# KiCad board N2360.kicad_pcb (continued)
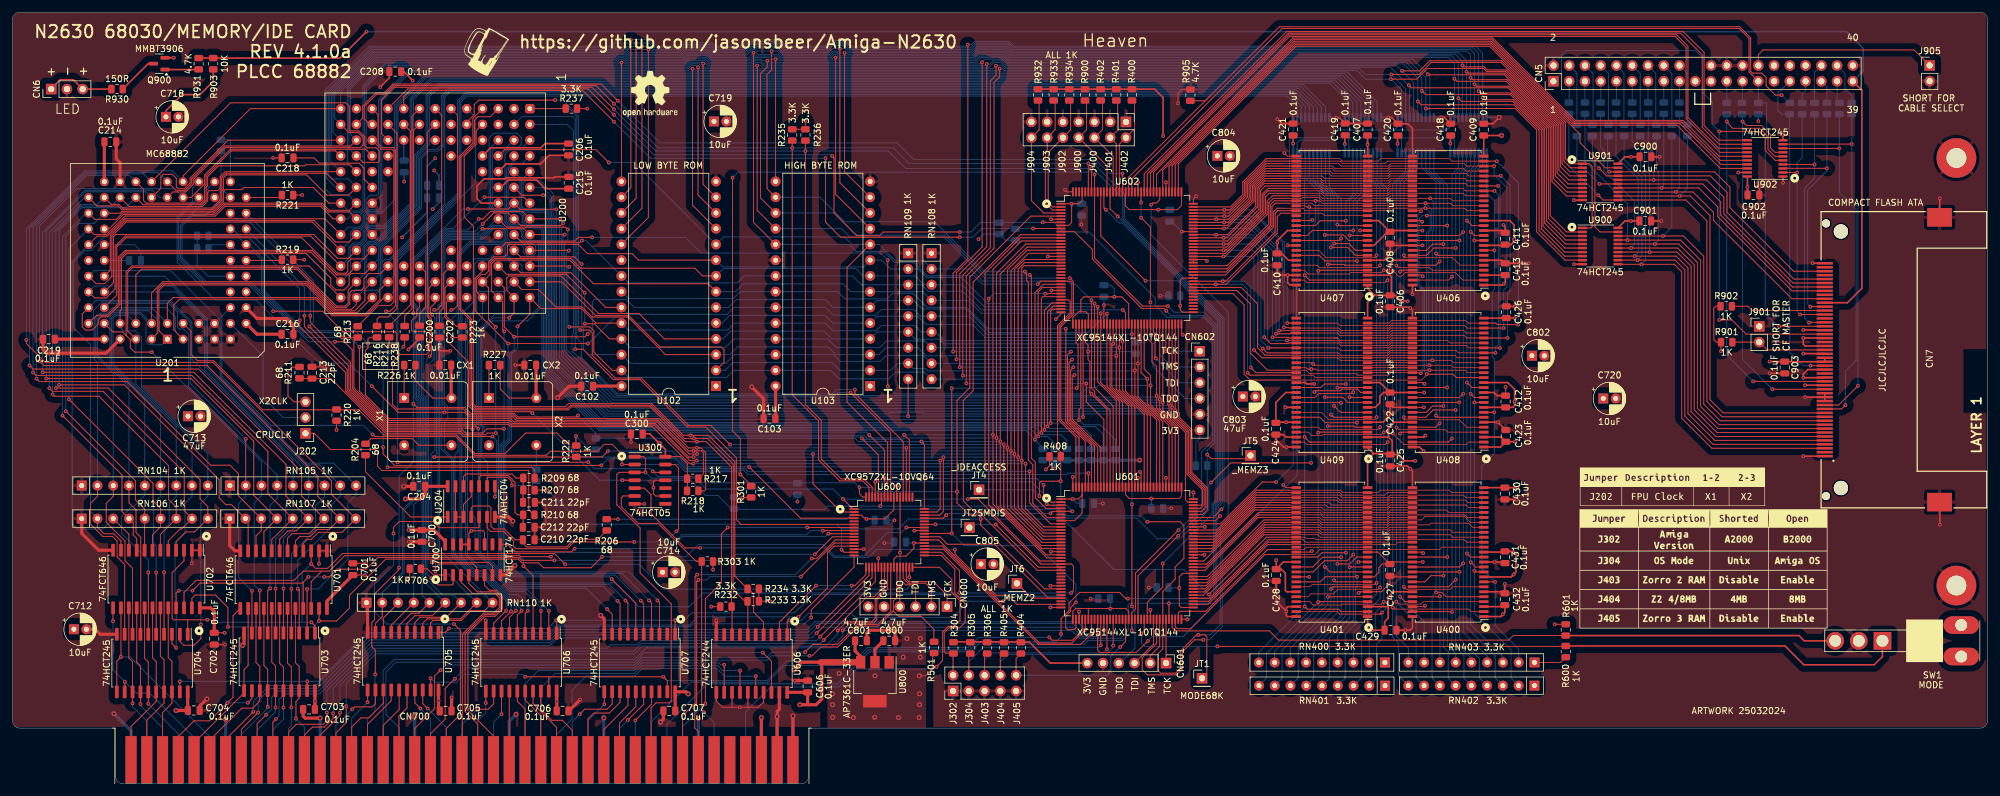
[diagram p0: board, top side]
## Nets (continued)
Net-(U200-BERR): R238.2 U200.69
Net-(U201-A0): R221.2 U201.26
Net-(U201-SIZE): R219.1 U201.18
Net-(U204-Pad6): U204.6 U300.13
Net-(U204-Pad11): U204.2 U204.3 U204.11 U204.13
Net-(U700-~{Mr}): R706.2 U700.1
Net-(X1-OUT): R204.2 X1.5
Net-(X1-Tristate): R226.2 X1.1
Net-(X2-OUT): R203.2 X2.5
Net-(X2-Tristate): R227.2 X2.1

Pads without a net: CN5 21 29 32 34; CN7 24 25 26 36 40 43 46; CN700 8 10 12 18 22; SW1 4 5; U102 1; U103 1; U200 14 28 42 44 53 54 58 59 79 80 85 103; U201 15; U300 8 10; U400 40; U401 40; U406 40; U407 40; U408 40; U409 40; U600 5 44 49; U601 6 25 26 27 28 31 32 34 44 49 51 52 53 57 59 118; U602 22 23 24 25 74 75 76 77 78 124 136 140 142 143; U606 3 5 7 9; U700 10 12 15; U707 2 18

## Via types
v1: diameter 0.6, hole 0.3, Top to Bottom, 801 vias
v2: diameter 0.8, hole 0.4, Top to Bottom, 44 vias

## Routing (per net, layer and track width the routed paths; a pad name or vN(x,y) marks a point on that pad's centre or on a via; arc(x,y) is an arc through that point)
+3V3: length 454.5
  Top w0.15: U401.9 219.53,33.36 220.24,34.07 220.24,34.86 220.82,35.44 C427.1 220.1,37.36 218.25,37.36 ; 172.42,46.72 172.42,43.67 171.18,42.43 U601.8 ; 172.42,46.72 172.42,46.55 171.8,45.93 v1(170.87,45.93) U601.1 ; 172.42,46.72 U601.141 ; v1(166.57,50.7) 167.16,51.29 R408.1 ; v2(146.17,17.4) 147.18,17.4 148.32,18.54 148.32,20.85 ; U601.109 188.42,46.35 188.07,46 v1(183.57,46) 180.02,46 179.42,46.6 U601.127 ; U601.55 179.92,27.8 179.47,28.25 v1(176.97,28.25) 173.47,28.25 ; U602.141 172.42,94.08 171.92,93.58 v1(170.72,93.58) ; U600.37 v1(145.3,38.83) 145.3,37.98 144.03,36.71 142.55,36.71 142.07,36.23 U600.26 ; R601.1 v1(248.57,25.7) ; v1(170.72,93.58) U602.1 ; v1(170.72,93.58) 170.72,90.53 170.27,90.08 U602.8 ; 221.71,28.56 221.75,28.51 ; U602.109 188.42,93.28 187.77,92.63 v1(184.7,92.63) 180.02,92.63 179.42,93.23 U602.127 ; U600.3 136.82,43.33 137.42,42.73 v1(137.67,42.73) 140.62,42.73 142.07,44.18 U600.55 ; U602.55 179.92,77.45 178.82,78.55 v1(177.6,78.55) 172.72,78.55 172.21,78.04 172.21,76.14 ; U601.42 173.42,28.2 173.47,28.25 ; 172.21,76.14 171.84,76.14 170.92,75.23 U602.37 ; 172.21,76.14 173.04,76.14 173.42,75.75 U602.42 ; RN403.1 249.54,19.55 R600.1 ; U406.43 v1(227.28,89.26) ; 173.47,28.25 171.38,28.25 170.92,27.79 U601.37 ; U408.43 v1(227.55,63.12) ; v1(227.33,35.76) U400.43 222.36,35.76 ; U601.84 188.62,33.93 188.07,33.38 v1(188.07,31.58) 188.07,28.75 188.4,28.43 U601.73 ; U602.84 188.57,81.58 188.22,81.23 v1(188.22,77.1) 188.22,76.48 188.62,76.08 U602.73
  Top w0.25: C423.1 239.95,55.92 U408.3 ; C423.1 v1(242.24,55.17) ; C423.1 239.85,54.32 U408.1 ; U400.9 241.58,33.36 v1(241.97,33.75) 242.33,34.11 242.33,37.11 241.96,37.49 C431.1 ; U407.1 218.43,79.91 219.55,78.79 ; 222.03,82.04 221.94,82.13 221.94,83.73 222.67,84.46 U406.49 ; 222.03,82.04 222.25,81.82 222.25,78.99 ; 222.03,82.04 222.02,82.06 U407.3 ; v1(226.11,52.09) 224.32,52.09 223.31,53.11 C425.1 ; U401.27 218.43,52.3 219.4,53.27 ; U406.1 240.22,80.46 v1(240.39,80.63) 240.63,80.87 C413.1 ; 218.43,54.24 219.4,53.27 ; 219.4,53.27 222.05,53.27 ; U408.49 222.76,58.32 221.82,57.38 221.82,55.88 ; C421.1 v1(206.43,103.29) ; U406.3 240.62,82.06 ; 219.55,78.79 C406.1 222.9,78.79 223.84,77.84 v1(224.9,77.84) ; 219.55,78.79 218.43,77.67 U409.27 ; v1(185.47,104.5) 185.47,110.7 184.11,112.07 R400.1 R932.1 ; U407.14 220.23,90.86 C408.1 ; C412.1 241.85,60.72 242.13,60.99 v1(242.13,61.65) 242.13,63.64 241.05,64.72 U408.14 ; 221.82,55.88 221.79,55.92 U409.3 ; 221.82,55.88 222.39,55.31 222.39,53.42 ; U400.27 C430.1 v1(242.58,47.76) ; CN601.6 167.29,19.45 163.93,22.82 162.56,22.82 ; U401.43 204.86,35.76 C428.1 ; C409.1 v2(240.04,104.59) ; U406.27 237.16,104.58 ; U401.1 218.43,25.14 218.81,24.76 v1(219.16,24.76) C429.1 221.18,26.13 221.75,26.7 221.75,30.11 222.6,30.96 U400.49 ; U408.9 240.67,60.72 ; C428.1 v1(203.71,36.07) ; C428.1 204.51,34.61 205.18,33.94 205.18,31.19 205.41,30.96 U401.49 ; 218.43,104.61 v1(218.43,103.15) U407.27 ; U407.49 205.69,84.46 204.59,85.56 C410.1 v1(203.88,87.31) 203.88,87.63 205.51,89.26 U407.43 ; U406.9 240.47,86.86 ; U400.14 240.46,37.36 ; 240.76,75.12 U408.27 ; U409.14 220.45,64.72 C422.1 221.02,63.12 220.4,62.5 220.4,61.44 219.68,60.72 U409.9 ; U401.3 221.71,28.56 ; U400.1 239.88,26.96 v1(240.23,27.31) 240.56,27.64 C432.1 ; 151.63,22.88 162.5,22.88 ; C424.1 203.65,61.52 205.25,63.12 U409.43 ; U406.43 222.27,89.26 ; v1(231.77,103.29) 231.77,104.54 ; C411.1 241.55,86.99 242.05,87.49 v1(242.05,87.86) 242.05,90.17 241.36,90.86 U406.14 ; U400.3 240.31,28.56 ; v1(214.76,103.21) 214.76,104.57 ; C426.1 v1(242.18,75.13) ; 221.65,89.04 219.47,86.86 U407.9 ; U409.49 v1(205.3,58.32) 203.75,58.32 ; v1(223.27,103.23) 223.27,104.53 ; U408.43 222.05,63.12
  Top w0.5: U800.2 139.02,21.7 C800.1
  Bottom w0.15: CN602.6 191.38,55.71 190.76,55.09 R407.1 ; v1(155.72,87.85) 156.56,88.69 R224.2 160.07,87.69 R225.2 ; C608.1 177,80.45 177.6,79.85 v1(177.6,78.55) ; v1(183.57,46) C602.1 ; C604.1 171.6,45.2 v1(170.87,45.93) ; v1(145.3,38.83) 144.02,38.83 ; v1(188.07,31.58) 186.4,31.58 ; C607.1 v1(170.72,93.58) ; v1(137.67,42.73) 138.75,42.73 ; v1(176.97,28.25) 176.97,29.8 ; v1(184.7,92.63) 186.52,92.63 ; C609.1 v1(188.22,77.1)
  Bottom w0.25: U420.20 v1(214.76,103.21) ; U418.20 v1(231.77,103.29) ; U421.20 v1(206.43,103.29) ; U419.20 v1(223.27,103.23)
  vias: v2(132.2,14.48) v2(132.19,12.73) v2(132.2,10.68) v2(133.25,17.77) v2(135.55,10.65) v2(139.02,17.41) v2(138.97,10.69) v2(142.83,10.65) v2(146.21,12.73) v2(146.17,10.65) v2(146.23,14.49)
+5V: length 339.6
  Top w0.15: R232.2 v1(112.64,28.56) ; C200.1 65.63,75.83 66.59,76.79 66.59,82.54 U200.72 ; R220.2 v1(52.24,57.07) ; C701.1 v1(56.82,33.65) ; v1(127.82,107) R236.2 R235.2 ; R221.1 v1(46.71,94.99) ; C702.1 v1(34.21,24.33) ; R706.1 64.03,33.22 v1(63.74,32.93) ; v1(117.64,46.17) 119.05,46.17 ; v1(275.4,69.77) R901.1 274.64,71.24 274.24,71.64 274.24,76.74 274.54,77.04 275.33,77.04 ; R237.2 v1(92.67,108.93) ; R227.1 78.63,63.7 80.11,62.22 X2.8 ; R223.2 v1(70.89,71.97) ; C218.1 48.63,100.97 49.47,100.13 55.88,100.13 56.68,99.32 56.68,97.53 U200.95 ; R219.2 v1(47.05,84.55) ; R303.1 v1(112.94,34.52) ; R226.1 64.97,65.02 67.76,62.22 X1.8 ; U200.60 69.45,82.27 69.45,76.72 68.83,76.1 C202.1 ; R234.2 R233.2 v1(122.12,29.43) ; 108.79,47.19 108.79,51.61 107.62,52.77 105.24,52.77
  Top w0.2: 90.83,54.6 v1(90.83,56.1)
  Top w0.25: 285.69,68.09 CN7.13 CN7.38 ; C208.1 63.12,114.9 v1(64.52,113.45) ; U901.20 259.91,101.15 v1(260.89,101.15) C900.1 ; C206.1 85.85,103.28 85.18,102.61 77.09,102.61 U200.43 ; 78.74,96.22 79.92,97.4 84.49,97.4 85.87,96.01 C215.1 ; U902.20 v1(279.66,96.29) 279.66,95.02 ; C300.1 102.74,56.44 v2(104.29,54.89) 105.25,53.93 U300.14 ; R903.1 32.37,113.33 30.23,111.19 27.35,111.19 24.75,108.59 C718.1 ; C903.1 v1(283.22,68.1) ; Q900.2 v1(26.02,117.13) ; C901.1 v1(260.87,90.8) 259.91,90.8 258.79,89.68
  Top w0.5: 124.89,14.73 C606.1 128.18,12.83 128.28,12.73 ; 93.6,64.15 U102.28 ; C704.1 v2(26.36,11.8) ; C703.1 v1(48.76,13.3) 48.76,15 ; 14.81,103.55 14.81,97.13 ; 128.28,12.73 129.54,12.73 130.45,13.65 130.45,19.45 130.59,19.59 127.24,19.59 v2(125.98,18.33) ; 128.28,12.73 v2(126.91,12.73) ; v1(63.84,40.92) C700.1 67.93,40.92 69.76,39.1 ; CX1.1 70.72,62.26 ; 37.67,74.27 39.42,72.52 C216.1 ; C702.1 32.53,27.77 31.94,28.36 U702.24 ; C707.1 U707.20 108.57,14.83 v2(108.93,14.46) ; 68.68,12.24 v1(68.68,13.38) U705.20 ; C701.1 50.7,29.48 U701.24 ; U704.20 28.26,11.83 ; CX2.1 84.41,62.26 ; v2(63.34,45.94) 65.76,45.94 66.5,46.69 C204.1 70.14,47.97 ; U800.3 136.72,20.51 135.82,21.41 C801.1 ; 6.84,71.73 U201.61 ; U103.28 123.01,58.94 ; 87.73,11.94 v1(87.73,13.23) U706.20 ; CN700.5 v2(120.72,10.66)
  Top w1: U800.3 130.3,19.59
  Bottom w0.15: R300.1 v1(126.52,45.5) ; v1(90.83,56.1) 93.02,53.91 R228.2 ; R904.1 v1(281.42,106.9) ; R229.2 R230.2 29.78,83.64 31.54,81.89 U201.17 ; 35.13,97.13 35.13,103.73 34.97,103.9 R231.2 ; R302.1 v1(117.64,46.17) ; 18.81,84.43 U201.53
  Bottom w0.25: v1(67.99,98.95) 68.75,98.19 C205.1 ; C201.1 v1(63.14,97.16) ; v1(67.73,92.71) 68.75,93.73 C209.1
  Bottom w0.5: CN700.5 v2(120.72,10.66)
GND: length 643.9
  Top w0.11: v1(205.02,101.75) 205.52,101.26 U407.28 ; U401.12 v1(216.93,35.76)
  Top w0.15: U407.46 v1(205.56,86.86) ; U602.36 169.01,75.77 v1(168.2,74.95) ; U602.62 183.42,72.55 v1(183.57,72.4) ; U600.41 v1(145.37,40.83) ; 118.61,12.32 118.54,12.4 U606.15 ; 118.61,12.32 v1(117.24,12.32) 116.02,12.32 ; 118.61,12.32 120.22,12.32 121.08,13.18 U606.17 ; U602.144 169.99,95.49 v1(169.65,95.83) ; v1(227.33,81.87) 227.13,82.06 U406.52 ; U601.72 v1(189.41,26.52) ; C427.2 222.03,32.31 220.68,30.96 U401.6 217.17,30.96 v1(216.98,30.77) ; U602.114 v1(185.92,97.05) ; U602.108 190.34,94.34 v1(190.77,94.78) ; U401.41 209.27,37.36 ; U700.14 U700.13 73.57,40.41 73.97,40.81 v1(73.98,40.81) 75.8,40.81 76.11,40.51 U700.11 ; U601.29 v1(167.3,31.93) ; U601.18 v1(167.37,37.43) ; U600.14 v1(137.22,37.83) ; U601.144 v1(170.92,49.5) ; U602.47 v1(175.92,77.23) ; U400.46 222.21,33.36 ; U702.1 U702.2 v1(28.93,35.56) ; v1(187.87,109.8) 187.87,111.4 188.49,112.02 R905.1 ; U408.46 v1(227.5,60.72) ; U601.99 v1(192.2,41.43) ; v1(192.12,36.93) U601.90 U601.89 ; 225.49,37.36 227.22,37.36 v1(227.39,37.2) ; U400.52 227.55,28.56 v1(227.69,28.7) ; C702.2 v1(34.25,22.43) ; U406.41 227.06,90.86 v1(227.23,90.69) ; v1(209.86,63.19) 210.08,63.41 210.86,63.41 210.87,63.4 214,63.4 214.26,63.66 216.79,63.66 217.33,63.12 U409.12 ; C218.2 v1(42,100.97) ; U601.114 v1(185.92,49.35) ; U602.18 v1(166.87,85.08) ; U902.19 v1(278.17,98.63) ; U401.28 205.29,47.76 v1(204.85,48.2) ; U602.123 v1(181.42,97.05) ; v1(49.43,35.46) U701.2 U701.1 ; U300.9 103.68,46.41 103.32,46.77 v1(103.32,47.75) 103.32,48.7 103.57,48.95 U300.11 ; U407.41 209.43,90.86 v1(209.55,90.98) ; C211.2 85.39,45.38 85.98,44.8 v1(85.98,43.35) 85.98,41.83 85.52,41.37 84.18,41.37 ; U406.46 v1(227.29,86.86) ; U300.7 v1(101.86,45.14) ; v1(227.6,64.52) 227.4,64.72 U408.41 ; C212.2 C210.2 ; 116.02,12.32 114.43,12.32 113.46,13.3 U606.11 ; 116.02,12.32 116,12.35 U606.13 ; U601.36 v1(167.3,28.43) ; U600.21 v1(139.57,36.35) ; U601.123 v1(181.42,49.35) ; U401.46 v1(209.03,33.36) ; U600.54 v1(142.57,48.05) ; U407.12 v1(217.22,89.26) ; U602.29 v1(167.47,79.58) ; C412.2 v1(240.68,64.01) ; U409.28 U407.54 ; U601.47 v1(175.92,24.75) ; U601.62 v1(183.42,28.03) ; U602.72 188.42,72.65 v1(188.65,72.43) ; C701.2 v1(57.02,35.55) ; v1(192.55,84.33) 192.3,84.58 U602.90 U602.89 ; U601.108 v1(190.34,47) ; U602.99 v1(188.47,89.08) ; C213.2 v1(50.25,67.26)
  Top w0.25: 68.83,69.85 68.83,67.55 ; 68.83,69.85 C202.2 ; 68.83,69.85 v1(70.59,69.85) ; v1(209.82,64.5) 208.62,64.5 208.41,64.72 U409.41 ; U200.33 75.6,93.68 74.87,94.4 74.87,96.45 76.02,97.6 79.42,97.6 79.58,97.76 87.27,97.76 87.42,97.91 C215.2 ; 292.12,73.2 v1(288.66,73.2) ; U407.52 v1(205.53,82.06) ; v1(205.53,82.06) 204.27,82.06 203.88,82.45 C410.2 ; v1(205.53,82.06) 205.53,80.86 205.93,80.46 U407.54 ; U401.52 205.58,28.56 205.33,28.31 v1(205.33,27.81) ; v1(230.29,107.51) 230.81,107.51 C418.2 ; CN7.12 289.39,66.82 288.66,66.09 v1(288.66,65.5) 292.12,65.5 ; U902.10 v1(285.39,104.69) ; C406.2 225.18,76.89 v1(225.33,76.74) 225.66,76.4 U408.28 ; U406.28 225.66,105.74 224.91,106.49 C420.2 222.31,107.51 v1(221.77,107.51) ; C421.2 204.56,106.52 v1(203.87,107.2) ; C903.2 v1(283.22,66.2) ; C408.2 222.05,85.39 221.12,84.46 U407.6 ; C300.2 v1(99.71,55.14) ; v1(205.33,27.81) 205.33,27.11 205.48,26.96 U401.54 ; v1(205.33,27.81) 203.71,29.44 C428.2 ; CN7.8 CN7.33 ; CN7.33 CN7.9 ; CN7.33 v1(288.94,62.37) ; C429.2 v1(224.57,24.76) 225.29,24.76 225.66,25.13 U400.54 ; 310.68,45.35 v1(310.68,41.8) ; C423.2 v1(239.45,58.32) U408.6 ; CN7.15 288.95,70.63 288.66,70.92 v1(288.66,71.9) 292.12,71.9 ; U400.12 v1(238.91,35.76) 240.41,35.76 ; CX2.2 v1(81.04,67.54) ; CN7.1 v1(288.66,52.85) ; U400.6 240.31,30.96 ; C901.2 v1(265.77,90.8) ; v1(227.75,56.18) 227.49,55.92 U408.52 ; C900.2 v1(265.49,101.15) ; 292.12,64.3 v1(288.94,64.3) ; v2(239.64,107.5) 238.63,106.49 C409.2 ; 253.13,94.15 v1(251.67,94.15) ; C208.2 60.75,113.88 v1(59.27,112.4) ; 65.63,71.86 v1(63.82,70.05) ; U408.46 222.55,60.72 C422.2 222.05,59.46 220.91,58.32 U409.6 ; U902.1 v1(285.39,96.97) ; v1(213.39,107.48) 213.88,107.48 C419.2 218.4,106.54 ; U406.54 v1(225.66,78.97) ; U406.6 240.13,84.46 C413.2 v1(244.42,83.97) ; C412.2 239.3,62.62 238.8,63.12 U408.12 ; v1(240.33,90.15) 240.6,89.89 C411.2 ; 222.11,51.26 224.86,51.26 v1(225.32,50.8) 225.66,50.45 U400.28 ; C430.2 v1(242.46,45.86) ; U406.12 240.23,89.26 ; C902.2 v1(281.57,96.35) ; C432.2 v1(240.56,32.24) ; C206.2 86.5,101.38 85.12,100 79.56,100 U200.31 ; v1(227.48,53.63) 226.8,54.32 U408.54 ; U900.10 v1(251.7,83.83) ; U406.46 222.33,86.86 ; 292.12,69.4 v1(288.66,69.4) ; U409.54 v1(205.35,54.32) 204.87,54.32 203.65,55.54 C424.2 204.88,56.32 205.28,55.92 U409.52 ; 292.12,84 v1(290.17,84) ; C426.2 v1(242.2,77.03) ; CN7.Z1 v1(310.67,94.45) ; U409.46 v1(205.23,60.72)
  Top w0.5: U707.10 95.4,26.57 v2(94.82,27.15) ; U204.7 79.98,43.04 v2(80.66,42.36) ; RN107.1 35.02,38.41 35.87,37.56 U701.12 ; U705.10 57.25,29.03 ; C216.2 45.29,73.97 44.2,75.06 39.42,75.06 U201.12 ; C219.2 4.92,70.05 5.51,69.46 15.09,69.46 U201.63 ; U606.10 v1(113.46,26.35) ; C801.2 137.72,24.28 138.18,24.74 142.07,24.74 142.28,24.53 C800.2 ; v2(104.46,9.91) 104.93,10.39 C707.2 ; C703.2 46.86,10.9 47.19,10.57 v2(49.6,10.57) ; C712.2 13.35,24.91 14.16,24.1 U704.10 ; CN700.1 v2(125.8,10.93) ; 17.35,97.13 17.35,100.2 16.73,100.82 C214.2 ; RN106.1 11.17,40.38 13.89,37.66 U702.12 ; C204.2 v2(63.07,47.97) ; C700.2 v1(63.91,39.02) ; v1(76.3,26.34) U706.10 ; C103.2 121.07,62.1 v2(119.16,64.01) ; C102.2 89.72,64.13 v2(87.86,62.27) ; C606.2 v1(126.1,16.63) ; U700.8 79.44,33.66 v2(80.97,35.19) ; 70.78,12.04 v1(70.78,13.91) ; CN700.3 v2(123.26,10.81) 123.26,11.65 123.62,12.01 U606.19 ; C704.2 30.18,12.5 v2(31.34,13.66) ; v2(37.11,22.29) 37.34,22.52 U703.10 ; 89.88,11.94 v1(91.51,13.56)
  Bottom w0.15: C609.2 v1(185,78.73) ; 186.85,90.7 v1(188.47,89.08) ; 174.35,45.2 v1(175.75,45.2) ; C601.2 v1(142.17,42.5) ; C220.2 20.71,85.92 19.67,86.97 14.81,86.97 ; 172.3,91.68 v1(172.3,90.25) ; v1(183.57,72.4) 182.39,71.22 R131.2 ; 142.12,38.83 v1(140.52,38.83) ; 239.64,107.51 v2(239.64,107.5) ; C603.2 v1(173.8,29.85) ; C608.2 v1(175.92,77.23) ; C605.2 v1(183.17,31.63) ; C602.2 v1(186.8,44.43)
  Bottom w0.25: U421.10 v1(213.39,107.48) ; C209.2 66.85,92.2 v1(62.8,88.15) ; C205.2 66.85,99.63 v1(68.13,100.91) ; U419.10 v1(230.29,107.51) ; U418.10 239.64,107.51 ; U420.10 v1(221.77,107.51) ; U200.77 63.07,100.62
  Bottom w0.5: CN700.49 v2(64.84,10.84) ; CN700.3 v2(123.26,10.81) ; CN700.61 v2(49.6,10.57) ; R101.2 v1(168.02,50.85) ; CN700.13 v2(110.56,10.52) ; v2(81.18,11.16) 80.08,10.06 CN700.37 ; CN700.85 19.12,8.52 v2(16.36,11.29) ; R100.2 v2(181.68,52.19) ; CN700.25 v2(95.32,10.62) ; CN700.73 v2(34.36,10.39) ; CN700.1 v2(125.8,10.93)
  vias: v1(209.45,37.54) v2(143.58,20.4) v2(144.18,23.4) v2(146.34,23.41) v2(146.34,20.4)
/Card Edge/_ABERR: length 69.1
  Top w0.15: v1(71.17,25.75) 72.2,24.72 72.2,23.52 ; CN700.46 69.92,8.89 72.2,11.17 72.2,23.52 ; v1(61.42,40.35) 61.42,41.35 62.37,42.3 67.82,42.3 68.83,41.3 75.12,41.3 75.23,41.41 U204.5 ; 72.2,23.52 72.2,24.57
  Bottom w0.15: v1(61.42,40.35) 61.42,35.2 58.37,32.15 58.37,27.7 60.32,25.75 v1(71.17,25.75)
/Card Edge/_AIPL0: length 36.6
  Top w0.15: CN700.40 77.54,7.7 73.42,11.83 73.42,24.25 76.17,27 77.81,27 78.99,28.19 78.99,30.22 78.01,31.2 76.87,31.2 76.11,31.97 U700.6
/Card Edge/_AIPL1: length 37.9
  Top w0.15: U700.4 73.57,32.31 74.93,30.94 77.9,30.94 78.73,30.11 78.73,28.3 77.7,27.26 76.07,27.26 72.97,24.17 72.97,11.64 75,9.61 CN700.42
/Card Edge/_AIPL2: length 37.9
  Top w0.15: CN700.44 72.46,7.82 72.52,7.88 72.52,24.09 75.96,27.52 77.59,27.52 78.47,28.4 78.47,30 77.79,30.68 74.16,30.68 72.3,32.54 U700.3
/Card Edge/_COPCFG: length 53.1
  Top w0.15: R303.2 110.22,35.85 104.08,42 100.87,42 98.13,44.73 98.13,46.12 98.43,46.42 100.29,46.42 ; 111.09,35.84 111.09,11.86 v1(111.43,11.52)
  Bottom w0.15: CN700.11 113.1,9.85 v1(111.43,11.52)
/Card Edge/AA1: length 15.7
  Top w0.15: U707.12 96.67,12.85 95.83,12.01 92.23,12.01 91.43,11.21 v1(91.43,11.19)
  Bottom w0.15: CN700.29 90.24,10 v1(91.43,11.19)
/Card Edge/AA2: length 12.1
  Top w0.15: v1(95.41,12.79) 95.41,14.82
  Bottom w0.15: CN700.27 92.78,10.16 v1(95.41,12.79)
/Card Edge/AA3: length 12.6
  Top w0.15: CN700.26 95.32,8.73 99.21,12.61 U707.14
/Card Edge/AA4: length 12.1
  Top w0.15: CN700.24 97.86,9.79 100.48,12.4 U707.15
/Card Edge/AA5: length 12
  Top w0.15: U707.17 103.02,12.82 100.41,10.21
  Bottom w0.15: CN700.21 v1(100.4,10.18)
/Card Edge/AA6: length 12.6
  Top w0.15: U707.16 101.75,12.8 v1(99.18,10.24)
  Bottom w0.15: v1(99.18,10.24) 97.86,8.92 CN700.23
/Card Edge/AA7: length 14.6
  Top w0.15: CN700.28 92.78,10.45 93.72,11.39 96.21,11.39 97.94,13.12 U707.13
/Card Edge/AA8: length 14.2
  Top w0.15: CN700.30 90.24,8.62 88.65,10.21 86.96,10.21 85.19,11.98 U706.18
/Card Edge/AA9: length 12.6
  Top w0.15: CN700.32 87.7,9.09 83.92,12.87 U706.17
/Card Edge/AA10: length 12.1
  Top w0.15: CN700.34 85.16,10.95 82.65,13.47 U706.16
/Card Edge/AA11: length 11.6
  Top w0.15: CN700.36 82.62,12.04 81.38,13.29 U706.15
/Card Edge/AA12: length 11
  Top w0.15: 80.08,14.9 CN700.38
/Card Edge/AA13: length 11.6
  Top w0.15: U706.13 v1(78.84,11.2)
  Bottom w0.15: CN700.39 77.54,9.91 v1(78.84,11.2)
/Card Edge/AA14: length 11.6
  Top w0.15: U706.11 v1(76.3,13)
  Bottom w0.15: CN700.41 75,10.13 76.3,11.43 v1(76.3,13)
/Card Edge/AA15: length 14.2
  Top w0.15: U706.12 77.57,12.87 76.71,12.01 v1(74.93,12.01)
  Bottom w0.15: CN700.43 72.46,9.54 v1(74.93,12.01)
/Card Edge/AA16: length 12.8
  Top w0.15: U705.18 66.14,12.9 v1(66.93,12.11)
  Bottom w0.15: CN700.45 69.92,9.12 v1(66.93,12.11)
/Card Edge/AA17: length 12.3
  Top w0.15: v1(65.78,12.11) 64.87,13.02 U705.17
  Bottom w0.15: v1(65.78,12.11) 67.38,10.51 CN700.47
/Card Edge/AA18: length 11.8
  Top w0.15: CN700.52 62.3,10.91 63.6,12.2 U705.16
/Card Edge/AA19: length 12.3
  Top w0.15: U705.15 62.33,11.94 59.76,9.38 CN700.54
/Card Edge/AA20: length 12.8
  Top w0.15: U705.14 61.06,13.39 57.22,9.55 CN700.56
/Card Edge/AA21: length 14.1
  Top w0.15: U705.13 59.79,12.97 57.43,10.61 56.18,10.61 54.68,9.11 CN700.58
/Card Edge/AA22: length 12.3
  Top w0.15: U705.11 v1(57.25,13.13)
  Bottom w0.15: v1(57.25,13.13) 54.68,10.56 CN700.57
/Card Edge/AA23: length 15.5
  Top w0.15: 54.78,12.01 55.16,12.39 58.01,12.39 58.52,12.9 U705.12
  Bottom w0.15: CN700.59 52.14,9.37 v1(54.77,11.99)
/Card Edge/AD0: length 33.5
  Top w0.15: U702.14 v1(17.5,20.45) 17.5,20.43 16.83,19.76 U704.11
  Bottom w0.15: 17.49,20.44 18.96,20.44 31.82,7.58
/Card Edge/AD1: length 29.2
  Top w0.15: v1(16.21,26.2) 16.21,28.35 ; v1(18.12,16.45) 18.12,14.83
  Bottom w0.15: v1(16.21,26.2) 16.21,18.36 v1(18.12,16.45) 19.98,14.59 22.13,14.59 29.28,7.44
/Card Edge/AD2: length 26.8
  Top w0.15: v1(21.91,12.87) 21.91,14.8 ; U702.17 21.31,20.2 21.91,19.61 U704.15
  Bottom w0.15: v1(21.91,12.87) 26.74,8.04 CN700.79
/Card Edge/AD3: length 26.2
  Top w0.15: U704.14 20.64,19 20.04,19.59 U702.16 ; v1(20.64,12.84) 20.64,14.8
  Bottom w0.15: v1(20.64,12.84) 20.64,12.58 24.2,9.02 CN700.81
/Card Edge/AD4: length 25.7
  Top w0.15: U704.13 19.37,19.67 18.77,20.26 U702.15 ; v1(19.37,12.93) 19.37,14.8
  Bottom w0.15: v1(19.37,12.93) 19.37,12.41 21.66,10.12 CN700.83
/Card Edge/AD5: length 26.4
  Top w0.15: U702.18 22.58,20.29 23.18,19.7 U704.16 23.18,13.27 19.12,9.21 CN700.86
/Card Edge/AD6: length 25.9
  Top w0.15: U702.19 23.85,20.57 24.45,19.98 U704.17 24.45,13.01 21.66,10.22 CN700.84
/Card Edge/AD7: length 25.4
  Top w0.15: U702.20 25.12,20.34 25.72,19.75 U704.18 25.72,12.98 24.2,11.46 CN700.82
/Card Edge/AD8: length 35.5
  Top w0.15: U703.12 38.61,13.71 v1(37.95,13.05) ; CN700.80 26.74,7.59 29.28,10.13 31.76,10.13 v1(34.66,13.03) 35.56,13.93 35.56,27.1 U701.13
  Bottom w0.15: v1(37.95,13.05) 34.67,13.05
/Card Edge/AD9: length 24.9
  Top w0.15: 29.28,6.58 37.34,14.64 ; U701.14 38,19.05 37.34,18.39 U703.11
/Card Edge/AD10: length 25.9
  Top w0.15: 31.82,7.03 36.98,12.18 38.74,12.18 39.88,13.32 U703.13 39.88,18.94 39.27,19.55 U701.15
/Card Edge/AD11: length 26.4
  Top w0.15: v1(41.15,12.37) U703.14 41.15,18.44 40.54,19.05 U701.16
  Bottom w0.15: v1(41.15,12.37) 41.15,12.18 36.9,7.93 CN700.71
/Card Edge/AD12: length 25.9
  Top w0.15: U701.17 41.81,19.61 42.42,19 U703.15 v1(42.42,12.26)
  Bottom w0.15: CN700.69 39.44,8.63 42.42,11.6 v1(42.42,12.26)
/Card Edge/AD13: length 25.4
  Top w0.15: U701.18 43.08,19.41 43.69,18.8 U703.16 v1(43.69,12.26)
  Bottom w0.15: CN700.67 41.98,8.69 43.69,10.39 v1(43.69,12.26)
/Card Edge/AD14: length 24.8
  Top w0.15: U701.19 44.35,19.44 44.96,18.83 U703.17 v1(44.96,12.3)
  Bottom w0.15: v1(44.96,12.3) 44.96,9.34 44.52,8.9 CN700.65
/Card Edge/AD15: length 25.4
  Top w0.15: U701.20 45.62,19.52 46.23,18.91 U703.18 46.23,13.78 45.7,13.25 v1(45.7,10.48)
  Bottom w0.15: v1(45.7,10.48) 47.06,9.12 CN700.63
/CPLD 1/TCK0: length 11.4
  Top w0.15: U600.30 144.07,33 144.47,32.6 148.45,32.6 150.65,30.4 CN600.1
/CPLD 1/TCK1: length 7.3
  Top w0.15: 185.95,19.23 185.95,26.49
/CPLD 1/TCK2: length 9.8
  Top w0.15: U602.67 v1(185.92,69.8)
  Bottom w0.15: CN602.1 185.95,69.77 v1(185.92,69.8)
/CPLD 1/TDI0: length 8
  Top w0.15: 145.57,28.55 145.57,31.53 145.02,32.08 143.97,32.08 143.07,32.98 U600.28
/CPLD 1/TDI1: length 8.3
  Top w0.15: U601.63 183.92,22.51 CN601.3
/CPLD 1/TDI2: length 14.4
  Top w0.15: v1(184.3,68.6) 184.16,68.74 184.16,72.58 183.92,72.82 U602.63
  Bottom w0.15: v1(184.3,68.6) 188.21,64.69 CN602.3
/CPLD 1/TDO0: length 17.7
  Top w0.15: CN600.4 143.03,31.96 v1(143.07,32) ; v1(143.07,37.26) U600.53
  Bottom w0.15: v1(143.07,37.26) v1(143.07,32)
/CPLD 1/TDO1: length 35.6
  Top w0.15: v1(180.45,45.08) v1(180.45,28.6) ; v1(181.75,50.3) 181.92,50.13 U601.122
  Bottom w0.15: 178.33,19.23 180.92,21.82 180.92,27.98 180.45,28.45 v1(180.45,28.6) ; v1(181.75,50.3) 181.42,50.3 180.45,49.33 v1(180.45,45.08)
/CPLD 1/TDO2: length 39
  Top w0.15: v1(183.42,77.65) 183.42,89.83 v1(181.92,91.33) ; U602.122 v1(181.92,93.78)
  Bottom w0.15: CN602.4 189.02,62.15 183.8,67.38 183.8,70.85 184.27,71.33 184.27,72.68 183.42,73.53 v1(183.42,77.65) ; v1(181.92,93.78) v1(181.92,91.33)
/CPLD 1/TMS0: length 9.9
  Top w0.15: U600.29 143.57,33.14 144.37,32.34 147.18,32.34 148.11,31.42 CN600.2
/CPLD 1/TMS1: length 7.9
  Top w0.15: 183.41,19.23 183.41,20.64 184.92,22.15 U601.65
/CPLD 1/TMS2: length 12.2
  Top w0.15: U602.65 v1(184.92,72.15)
  Bottom w0.15: v1(184.92,72.15) 184.92,69.23 186.92,67.23 CN602.2
/Logic, IDE/_ACTIVE: length 318.1
  Top w0.25: 296.65,113.35 298.1,111.89 298.1,79.93 295.78,77.61 CN7.45 ; v1(57.07,121.35) 52.81,117.09 R903.2 R931.1
  Bottom w0.25: v1(57.07,121.35) 295.62,121.35 298.32,118.65 298.32,115.02 296.65,113.35
/Logic, IDE/_CFCSEL: length 15.4
  Top w0.15: CN7.39 282.82,69.99 J901.2 277.23,71.24
/Logic, IDE/_CS0A: length 61.4
  Top w0.15: CN7.7 294.84,60.47 v1(295.45,61.08) ; v1(294.47,102.5) 285.41,102.5
  Bottom w0.15: R928.1 v1(294.47,102.5) 294.47,95.4 297.17,92.7 297.17,68.3 295.45,66.58 v1(295.45,61.08)
/Logic, IDE/_CS1A: length 61.9
  Top w0.15: v1(296.47,103.2) 285.41,103.2 ; CN7.32 294.37,61.1 v1(297.47,64.2)
  Bottom w0.15: R929.2 v1(296.47,103.2) 296.47,94.05 297.47,93.05 v1(297.47,64.2)
/Logic, IDE/_DIORA: length 64.6
  Top w0.15: v1(278.87,106.85) 279.51,106.2 281.92,106.2 283.37,104.75 283.37,102.6 284.1,101.88 U902.7 ; CN7.34 v1(283.67,63.64)
  Bottom w0.15: v1(283.67,63.64) 278.87,68.45 v1(278.87,106.85) 278.87,107.95
/Logic, IDE/_DIOWA: length 69.1
  Top w0.15: CN7.35 280.58,64.91 v1(280.57,64.9) ; v1(276.32,106.85) 277.25,105.75 281.62,105.75 282.97,104.4 282.97,102.35 284.1,101.23 U902.6
  Bottom w0.15: R922.1 v1(276.32,106.85) 276.32,69.86 276.33,69.86 276.33,69.15 v1(280.57,64.9)
/Logic, IDE/_RSTIDE: length 103.1
  Top w0.15: U902.5 284.14,100.58 282.52,102.2 282.52,104.23 281.5,105.25 275.07,105.25 ; CN7.41 279.45,72.53 277.15,74.83 v1(275.12,74.83)
  Bottom w0.15: v1(275.12,74.83) v1(275.12,105.25) 273.97,106.39 273.97,110 272.47,111.5 272.47,117.1 271.27,118.3 250.47,118.3 249.67,117.5 249.67,114.63 CN5.1
/Logic, IDE/CSEL: length 30.7
  Top w0.15: J905.1 306.52,118.4 282.17,118.4 281.41,117.64 281.41,115.89
/Logic, IDE/DA0A: length 41.9
  Top w0.15: CN7.20 v1(289.8,76.98) ; 285.4,99.29 292.46,99.29
  Bottom w0.15: R925.1 v1(292.47,99.3) 292.47,98.9 289.37,95.8 289.37,77.4 289.77,77
/Logic, IDE/DA1A: length 39.2
  Top w0.15: v1(288.12,75.7) 289.97,75.7 289.98,75.71 CN7.19 ; U902.2 287.7,98.63
  Bottom w0.15: v1(288.12,75.7) 287.67,76.15 v1(287.67,98.6) 287.67,100.2 288.47,101 R926.1
/Logic, IDE/DA2A: length 42.3
  Top w0.15: CN7.18 289.51,74.44 ; v1(290.47,99.9) 285.41,99.9
  Bottom w0.15: v1(289.57,74.4) 288.87,75.1 288.87,96.1 290.47,97.7 v1(290.47,99.9) R927.2
/Logic, IDE/IDED0: length 53.7
  Top w0.15: v1(255.8,96.78) U901.15 272.44,96.78 275.34,93.87 275.34,91.73 286.93,80.15 CN7.47
  Bottom w0.15: R914.2 252.17,100.4 v1(255.8,96.78)
/Logic, IDE/IDED1: length 51.3
  Top w0.15: v1(255.72,99.3) 256.95,98.08 U901.17 273.68,98.08 276.36,95.39 276.36,92.21 287.16,81.42 CN7.48
  Bottom w0.15: v1(255.72,99.3) 254.67,100.35 R915.2